# Altium PCB PCB_EPS_2.PcbDoc (part 3 of 3) (continued)
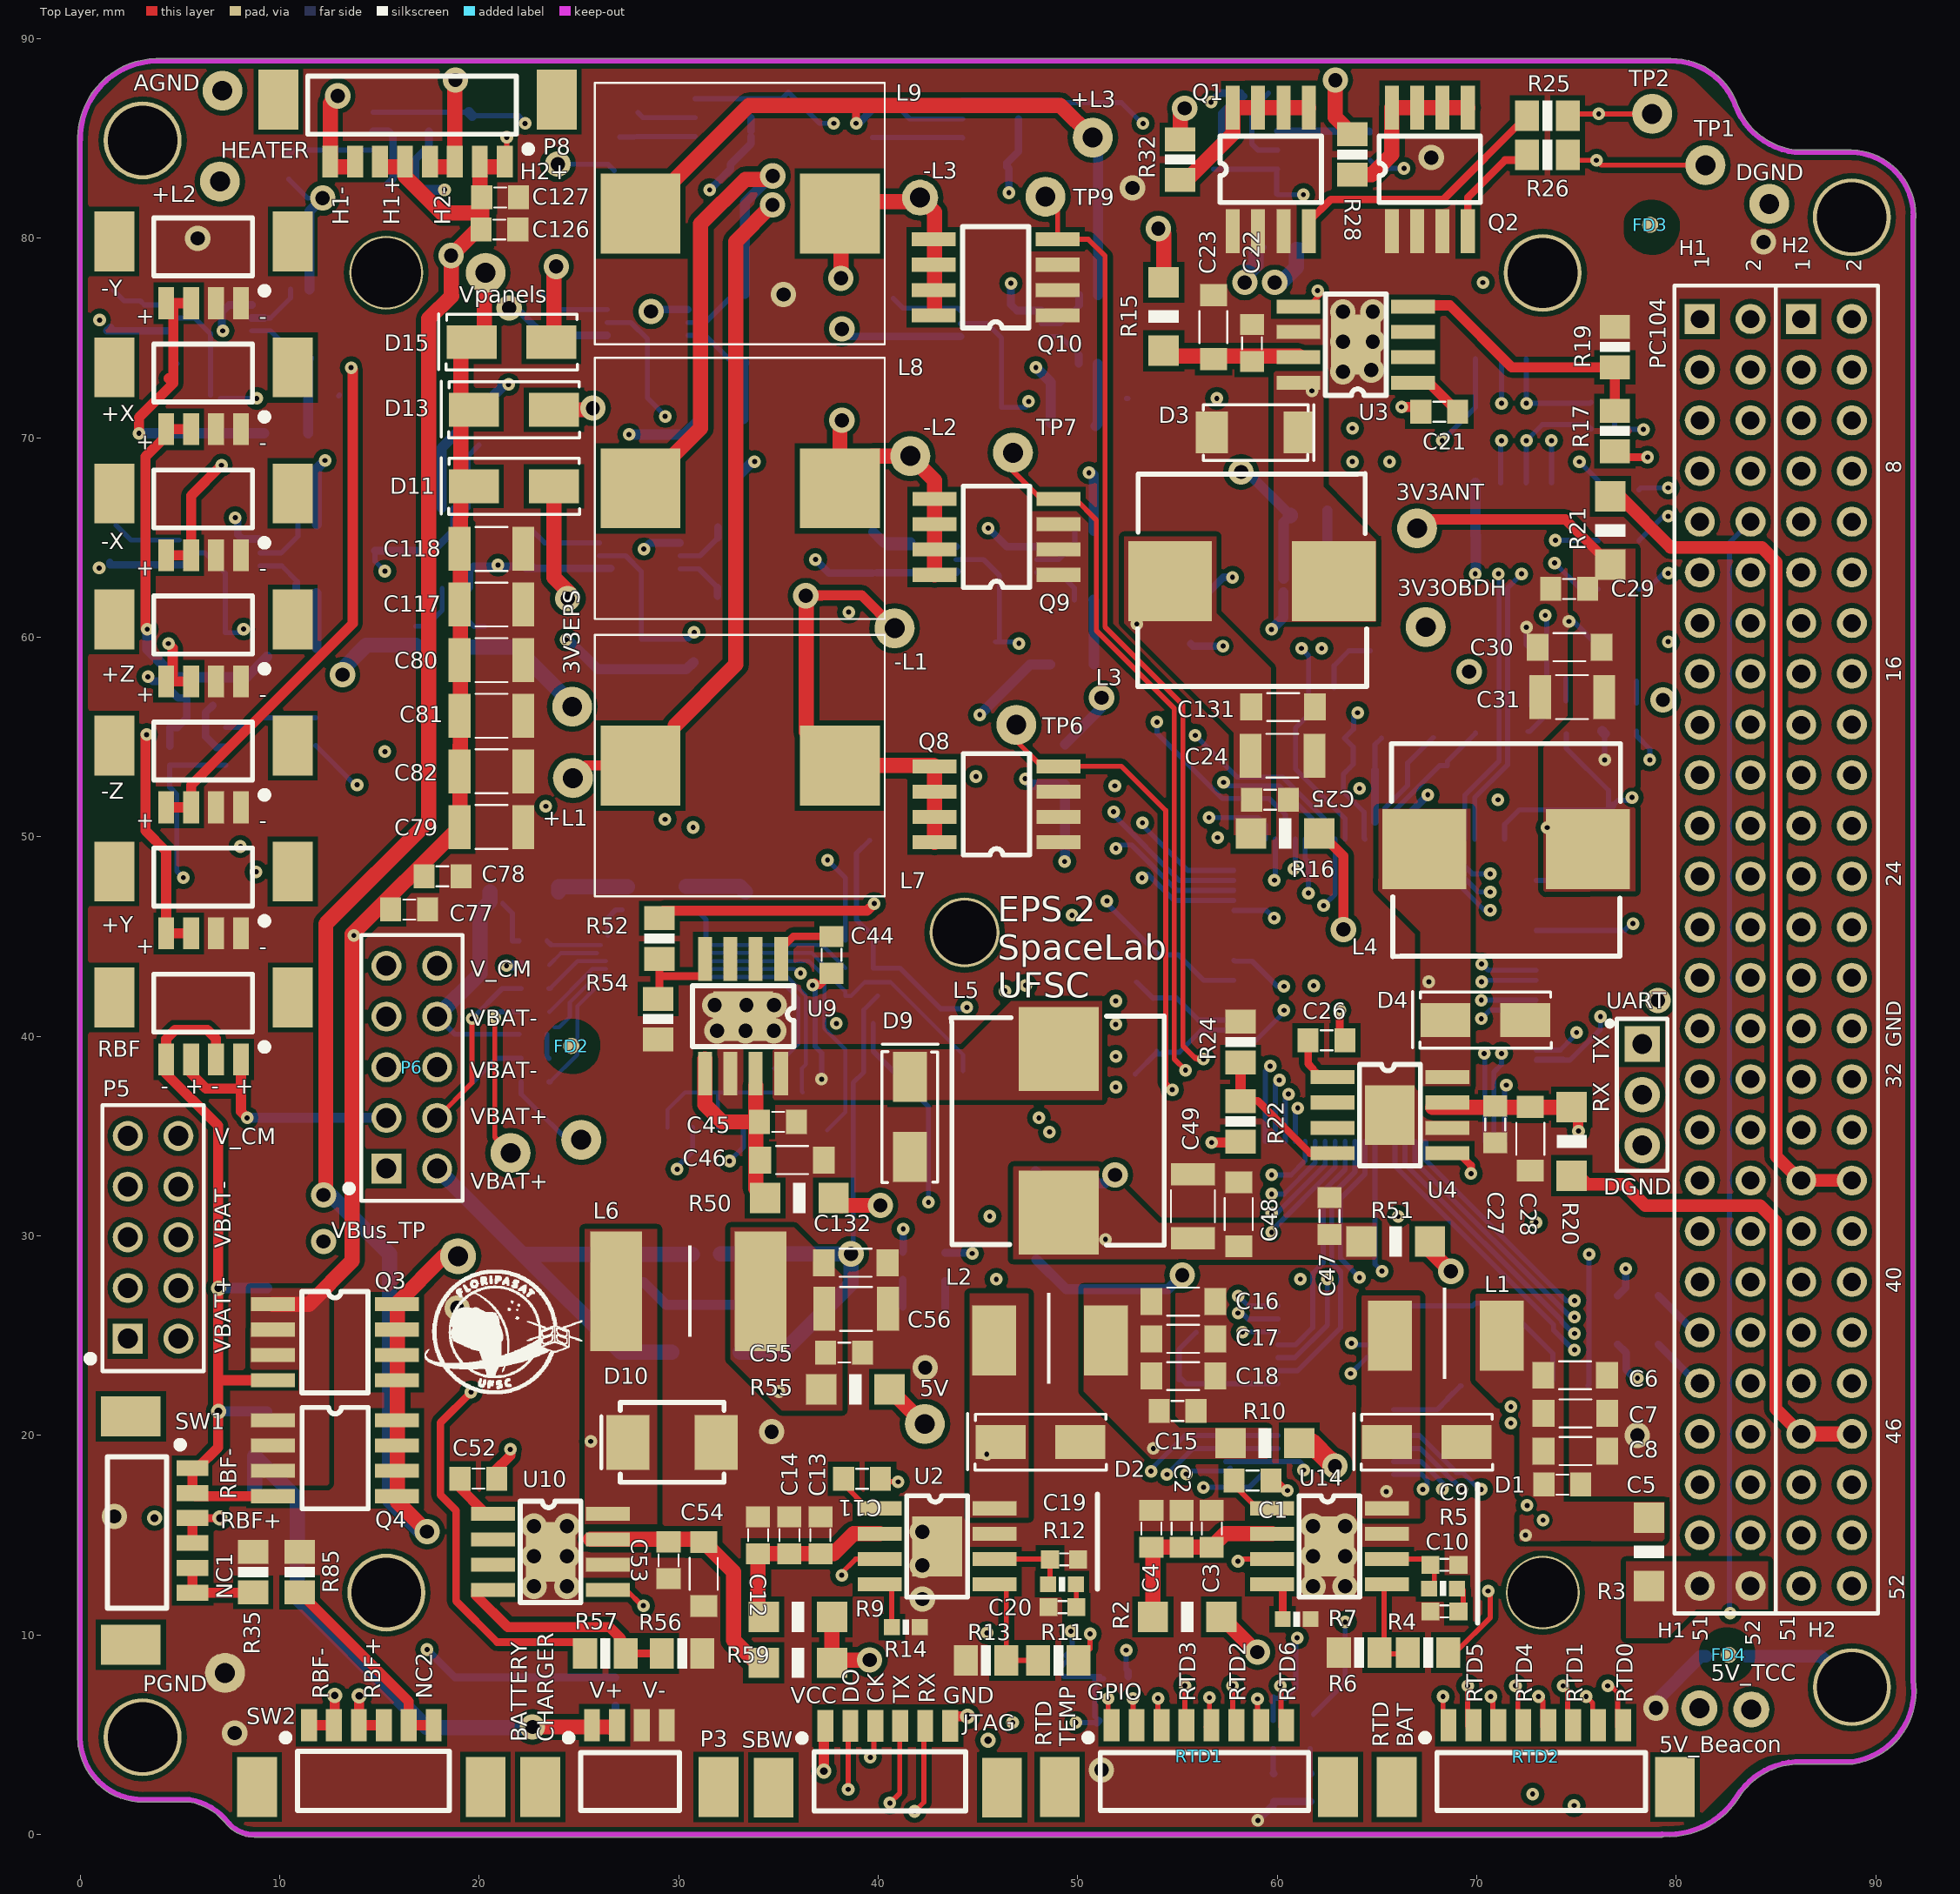
[diagram p0: Top Layer view]
## Nets (pads, with @x,y where several pads share a name; then routed paths per layer and width w, separated by ;. In a path a pad name is that pad's centre, name@x,y a point inside that pad or via, vN(x,y) a via of type N, cw(c..) or ccw(c..) an arc to the next point about the centre after c; other vN are vias at no path point) (continued)
VSENSE2_N: +X_CSR.4 U16.7 | length 2.8
  Bottom Layer w0.254: U16.7@9.007,64.229 10.066,64.229 10.908,65.071 +X_CSR.4@10.908,65.661
VSENSE2_P: +X_CSR.3 U16.8 | length 3.1
  Bottom Layer w0.254: U16.8@9.007,63.579 10.103,63.579 10.883,62.799 +X_CSR.3@10.883,62.211 ; +X_CSR.3@10.756,62.338 +X_CSR.3@10.756,62.666
VSENSE3_N: -X_CSR.4 U18.7 | length 2.6
  Bottom Layer w0.254: U18.7@30.455,75.779 31.332,75.779 -X_CSR.4@32.526,76.973
VSENSE3_P: -X_CSR.3 U18.8 | length 2.5
  Bottom Layer w0.254: U18.8@30.455,75.129 31.332,75.129 -X_CSR.3@32.501,73.96
VSENSE4_N: +Z_CSR.4 U20.7 | length 2.8
  Bottom Layer w0.254: U20.7@30.065,64.089 31.069,64.089 +Z_CSR.4@31.966,64.986
  Bottom Layer w0.381: +Z_CSR.4@31.966,64.986 +Z_CSR.4@31.966,65.521
VSENSE4_P: +Z_CSR.3 U20.8 | length 2.7
  Bottom Layer w0.254: U20.8@30.065,63.439 31.003,63.439 +Z_CSR.3@31.941,62.501
  Bottom Layer w0.381: +Z_CSR.3@31.941,62.071 +Z_CSR.3@31.941,62.501
VSENSE5_N: -Z_CSR.4 U22.7 | length 2.8
  Bottom Layer w0.254: U22.7@48.166,75.726 49.136,75.726 -Z_CSR.4@50.067,76.657
  Bottom Layer w0.381: -Z_CSR.4@50.067,76.657 -Z_CSR.4@50.067,77.158
VSENSE5_P: -Z_CSR.3 U22.8 | length 2.7
  Bottom Layer w0.254: U22.8@48.166,75.076 49.126,75.076 -Z_CSR.3@50.042,74.16
  Bottom Layer w0.381: -Z_CSR.3@50.042,73.708 -Z_CSR.3@50.042,74.16
VSENSE6_N: +Y_CSR.4 U25.7 | length 2.9
  Bottom Layer w0.254: U25.7@47.946,63.896 49.036,63.896 49.847,64.707 +Y_CSR.4@49.847,65.328
VSENSE6_P: +Y_CSR.3 U25.8 | length 2.8
  Bottom Layer w0.254: U25.8@47.946,63.246 49.056,63.246 49.822,62.48 +Y_CSR.3@49.822,61.878
XIN: C67.1 U12.13 Y2.1 | length 6.1
  Bottom Layer w0.254: U12.13@65.396,49.891 65.396,51.45 66.526,52.58 Y2.1@66.526,53.576 66.526,53.696 C67.1@67.811,54.981
XOUT: C69.1 U12.14 Y2.2 | length 7.2
  Bottom Layer w0.254: U12.14@65.896,49.891 65.896,51.339 68.133,53.576 Y2.2@68.526,53.576 68.526,53.786 69.926,55.186 C69.1@69.926,55.206
XT2IN: C68.1 U12.84 Y1.1 | length 5.9
  Bottom Layer w0.254: C68.1@52.88,38.112 53.957,39.189 Y1.1@53.957,39.243 ; Y1.1@53.957,39.113 54.186,39.113 54.279,39.206 55.086,39.206 56.196,40.316 U12.84@57.821,40.316
XT2OUT: C70.1 U12.85 Y1.3 | length 5.7
  Bottom Layer w0.254: C70.1@52.948,42.726 Y1.3@53.78,41.894 53.812,41.926 54.936,41.926 56.046,40.816 U12.85@57.821,40.816
pads on no net: +X.0 +Y.0 +Z.0 -X.0 -Y.0 -Z.0 FD2.1 FD3.1 FD4.1 FD6.1 FD7.1 FD8.1 P3.0 P8.0 PC104.H1-1 PC104.H1-2 PC104.H1-3 PC104.H1-4 PC104.H1-5 PC104.H1-6 PC104.H1-7 PC104.H1-8 PC104.H1-9 PC104.H1-11 PC104.H1-13 PC104.H1-14 PC104.H1-15 PC104.H1-16 PC104.H1-17 PC104.H1-18 PC104.H1-19 PC104.H1-20 PC104.H1-21 PC104.H1-22 PC104.H1-23 PC104.H1-24 PC104.H1-25 PC104.H1-26 PC104.H1-27 PC104.H1-28 PC104.H1-33 PC104.H1-34 PC104.H1-35 PC104.H1-36 PC104.H1-37 PC104.H1-38 PC104.H1-39 PC104.H1-40 PC104.H1-42 PC104.H1-44 PC104.H2-1 PC104.H2-2 PC104.H2-3 PC104.H2-4 PC104.H2-6 PC104.H2-8 PC104.H2-9 PC104.H2-10 PC104.H2-11 PC104.H2-12 PC104.H2-13 PC104.H2-14 PC104.H2-15 PC104.H2-16 PC104.H2-17 PC104.H2-19 PC104.H2-21 PC104.H2-23 PC104.H2-24 PC104.H2-33 PC104.H2-34 PC104.H2-37 PC104.H2-38 PC104.H2-39 PC104.H2-40 PC104.H2-41 PC104.H2-42 PC104.H2-43 PC104.H2-44 PC104.H2-47 PC104.H2-48 PC104.H2-50 PC104.H2-52 RBF.0 RTD1.0 RTD2.0 SBW.0 SW1.0 SW2.0 U3.2 U3.3 U4.2 U4.3 U5.7 U5.8 U5.19 U5.20 U9.2 U9.3 U10.2 U10.3 U12.16 U12.17 U12.23 U12.24 U12.28 U12.29 U12.30 U12.31 U12.33 U12.34 U12.35 U12.38 U12.41 U12.42 U12.43 U12.46 U12.47 U12.48 U12.49 U12.50 U12.54 U12.55 U12.56 U12.57 U12.58 U12.76 U12.77 U12.78 U12.79 U12.80 U12.81 U12.82 U12.86 U12.87 U12.88 U12.92 U12.93 U12.94 U12.95 U13.1 U13.7 U13.8 U15.4 U15.5 U16.4 U16.5 U18.4 U18.5 U20.4 U20.5 U22.4 U22.5 U25.4 U25.5 U27.4 U27.5

## Polygon pours and split planes (outlines as drawn)
DGND on Signal Layer 2 "DGND" (solid, pour order 95): 49.456,49.066 49.456,34.846 49.616,35.006 61.606,35.006 61.606,24.676 61.686,24.596 72.256,24.596 72.256,14.336 72.326,14.266 72.246,14.346 46.116,14.346 46.116,6.84 32.93,6.84 32.93,0.206 78.606,0.206 79.304,0.206 ccw(c79.304,2.746) 81.1,0.95 82.026,1.876 83.432,3.282 cw(c85.228,1.486) 85.228,4.026 87.266,4.026 88.684,4.026 ccw(c88.684,6.566) 90.48,4.77 91.396,5.686 ccw(c90.817,6.266) 91.636,6.266 91.636,7.916 91.636,81.294 ccw(c89.096,81.294) 90.892,83.09 89.966,84.016 cw(c89.773,84.209) 89.773,83.936 86.786,83.936 86.018,83.936 cw(c86.018,86.476) 84.222,84.68 82.656,86.246 81.18,87.722 ccw(c79.384,85.927) 79.384,88.466 77.256,88.466 66.743,88.466 ccw(c66.742,88.33) 66.646,88.426 cw(c66.357,88.137) 66.766,88.136 66.766,49.006
PGND on Signal Layer 2 "PGND" (solid, pour order 93): 32.56,0.316 32.56,7.026 45.756,7.026 45.766,7.036 45.766,50.796 0.416,50.796 0.396,50.776 0.426,5.266 0.426,4.579 ccw(c2.509,4.579) 1.036,3.106 1.262,2.88 ccw(c3.058,4.676) 3.058,2.136 4.476,2.136 5.494,2.136 cw(c5.494,-0.185) 7.136,1.456 7.915,0.677 ccw(c8.786,1.547) 8.786,0.316
DGND on Bottom Layer "DGND" (solid, pour order 90): 32.916,0.306 76.766,0.306 79.254,0.306 ccw(c79.254,2.846) 81.05,1.05 83.462,3.462 cw(c85.258,1.667) 85.258,4.206 88.756,4.206 88.834,4.206 ccw(c88.834,6.746) 90.63,4.95 91.316,5.636 ccw(c90.713,6.24) 91.566,6.24 91.566,8.836 ccw(c91.204,9.198) 91.716,9.198 91.716,81.066 91.716,81.094 ccw(c89.177,81.094) 90.972,82.89 90.326,83.536 ccw(c89.385,82.596) 89.384,83.926 86.386,83.926 85.808,83.926 cw(c85.808,86.466) 84.012,84.67 80.842,87.84 cw(c80.842,87.961) 80.757,87.875 ccw(c79.334,86.458) 79.334,88.466 76.316,88.466 66.666,88.466 66.666,48.306 49.356,48.306 49.356,48.366 49.356,36.586 49.466,36.586 61.776,36.586 61.776,36.806 61.776,24.596 61.506,24.596 72.256,24.596 72.256,14.056 46.146,14.056 46.146,6.686 32.897,6.686
PGND on Bottom Layer "PGND" (solid, pour order 92): 45.376,50.277 45.376,7.086 32.43,7.086 32.43,0.296 9.348,0.296 cw(c9.348,2.836) 7.552,1.04 7.286,1.306 ccw(c5.572,-0.408) 5.572,2.016 4.516,2.016 2.968,2.016 cw(c2.968,4.556) 1.172,2.76 0.926,3.006 0.91,3.022 cw(c2.706,4.818) 0.166,4.818 0.166,5.776 0.166,50.257
V_CHARGING_BATTERIES on Bottom Layer "OC" (solid, pour order 70): 11.27,27.53 13.075,29.335 13.075,30.665 12.47,31.27 7.5,31.27 7.5,27.76 7.5,16.79 11.27,16.79
AGND on Bottom Layer "AGND" (solid, pour order 91): 66.516,88.466 66.496,88.486 5.776,88.486 3.838,88.486 ccw(c3.838,85.946) 2.042,87.742 1.776,87.476 1.03,86.73 ccw(c2.826,84.934) 0.286,84.934 0.286,84.076 0.286,51.066 46.186,51.066 46.066,51.066 46.066,14.466 71.976,14.466 71.976,24.436 61.166,24.436 61.286,24.436 61.286,34.856 48.996,34.856 48.996,48.516 66.876,48.516
AGND on Bottom Layer "Bottom Layer-AGND" (solid, pour order 89): 64.736,51.3 63.95,52.086 63.95,52.603 64.254,52.907 64.254,55.233 65.848,55.233 65.848,52.212 64.936,51.3
DGND on Bottom Layer "DGND" (solid, pour order 94): 49.394,34.826 60.406,34.826 61.126,35.546 61.106,35.566 61.106,36.936 49.389,36.936 49.356,36.969
-VBAT on Bottom Layer "-VBAT" (solid, pour order 87): 18.796,41.936 18.796,37.586 14.366,37.586 14.356,37.576 14.346,37.586 14.346,41.936
+RBF on Bottom Layer "+RBF" (solid, pour order 88): 14.336,36.986 14.336,32.416 14.346,32.406 18.776,32.406 18.776,36.966 18.796,36.986
PGND on Top Layer "PGND" (solid, pour order 107): 77.77,0.25 79.428,0.25 ccw(c79.428,2.79) 81.224,0.994 83.486,3.256 cw(c85.282,1.46) 85.282,4 85.53,4 88.638,4 ccw(c88.638,6.54) 90.434,4.744 91.3,5.61 ccw(c90.479,6.431) 91.64,6.431 91.64,9.33 ccw(c91.592,9.378) 91.66,9.378 91.66,81.29 ccw(c89.342,81.29) 90.981,82.929 90.67,83.24 ccw(c88.908,81.478) 88.908,83.97 88.62,83.97 85.912,83.97 cw(c85.912,86.51) 84.116,84.714 84.04,84.79 81.064,87.766 ccw(c79.268,85.97) 79.268,88.51 79.02,88.51 3.712,88.51 ccw(c3.712,85.97) 1.916,87.766 1.87,87.72 1.004,86.854 ccw(c2.8,85.058) 0.26,85.058 0.26,83.99 0.26,4.762 ccw(c2.8,4.762) 1.004,2.966 1.56,2.41 ccw(c2.526,3.376) 2.526,2.01 4.8,2.01 5.498,2.01 cw(c5.498,-0.53) 7.294,1.266 7.37,1.19 7.688,0.872 ccw(c9.19,2.375) 9.19,0.25
VPANELS on Top Layer "VPanel" (solid, pour order 69): 8.526,22.24 7.51,22.24 7.51,19.366 6.63,18.486 6.63,17.5 2534.198,17.45 12.48,17.45 12.48,27.376 8.54,27.376
NetC5_1 on Top Layer "L1" (solid, pour order 73): 79.426,14.696 79.396,14.726 79.396,16.666 74.336,16.666 74.336,27.096 69.976,27.096 69.936,27.056 69.936,22.786 72.146,20.576 72.146,14.766 72.186,14.726
NetC5_1 on Top Layer "L1" (solid, pour order 72): 69.936,27.056 69.936,22.786 72.086,20.636 72.146,20.576 72.146,15.496 72.146,14.776 72.046,14.676 72.086,14.716 74.176,14.716 74.316,14.856 74.316,27.056
NetC1_2 on Top Layer "L1" (solid, pour order 71): 64.216,15.846 67.146,15.846 67.146,26.976 67.106,27.016 64.256,27.016 64.236,27.036 64.236,26.996 64.226,26.986
NetC21_2 on Top Layer "netc21_2" (solid, pour order 81): 62.306,73.336 62.306,69.066 62.306,67.566 64.946,64.866 64.946,64.726 64.946,60.816 64.916,60.786 59.826,60.786 59.826,73.346
Net3V3OBDH_1 on Top Layer "net5_1" (solid, pour order 82): 59.636,58.506 59.677,58.465 59.677,50.086 57.838,50.086 57.826,50.099 57.826,55.216 52.326,60.716 52.326,65.046 56.996,65.046 56.936,65.046 57.006,65.056 56.936,65.046 56.936,64.986 56.936,61.206
NetC47_2 on Top Layer "net9_1" (solid, pour order 80): 64.966,28.804 64.966,30.646 54.076,30.646 51.246,33.476 46.786,33.476 46.756,33.446 46.756,28.836
Net3V3ANT_1 on Top Layer "net7_1" (solid, pour order 84): 73.346,47.246 73.346,54.146 73.346,54.486 74.816,55.956 74.816,64.43 77.946,64.43 77.946,47.306 77.976,47.276
5V_Radio_Beacon on Top Layer "3V3_Beacon" (solid, pour order 74): 77.486,9.856 79.556,9.856 80.996,11.296 84.586,11.296 84.586,13.706 84.576,13.696 77.486,13.696
NetC55_1 on Top Layer "netc55_2" (solid, pour order 78): 38.206,28.006 35.786,30.426 32.606,30.426 32.586,30.406 32.586,23.816 32.596,23.816 35.166,21.246 35.176,21.256 38.196,21.256
NetC52_2 on Top Layer "netc52_2" (solid, pour order 77): 25.296,15.556 28.906,15.556 28.906,30.336 28.896,30.346 25.296,30.346
NetC26_2 on Top Layer "netc26_2" (solid, pour order 83): 67.166,37.516 67.166,45.226 65.056,47.336 65.056,47.886 65.076,47.906 65.076,51.416 65.096,51.396 69.706,51.396 69.686,51.376 69.686,37.516
NetC44_2 on Top Layer "netc44_2" (solid, pour order 79): 34.706,36.826 51.206,36.826 51.206,41.776 51.226,41.796 51.206,41.776 46.666,41.776 46.656,41.776 44.226,39.346 34.786,39.346 34.716,39.276
NetC15_1 on Top Layer "netc15_2" (solid, pour order 76): 54.626,27.406 54.606,27.386 50.296,27.386 50.296,22.296 50.296,22.206 52.566,19.936 53.666,18.836 59.486,18.836 59.486,20.406 59.466,20.386 55.296,20.386 55.086,20.386 54.616,20.856
NetC11_2 on Top Layer "3V3_Beacon" (solid, pour order 75): 44.586,15.886 44.586,27.116 47.486,27.116 47.536,27.166 47.536,15.886
PGND on Signal Layer 1 "PGND" (solid, pour order 105): 77.576,0.296 79.434,0.296 ccw(c79.434,2.836) 81.23,1.04 81.276,1.086 83.492,3.302 cw(c85.288,1.506) 85.288,4.046 87.446,4.046 88.814,4.046 ccw(c88.814,6.586) 90.61,4.79 91.636,5.816 ccw(c91.395,6.058) 91.736,6.058 91.736,10.796 91.736,81.074 ccw(c89.196,81.074) 90.992,82.87 90.256,83.606 ccw(c89.29,82.64) 89.29,84.006 88.336,84.006 85.878,84.006 cw(c85.878,86.546) 84.082,84.75 83.306,85.526 81.031,87.801 ccw(c79.256,86.025) 79.256,88.536 3.798,88.536 ccw(c3.798,85.996) 2.002,87.792 1.466,87.256 1.03,86.82 ccw(c2.826,85.024) 0.286,85.024 0.286,82.566 0.286,4.848 ccw(c2.826,4.848) 1.03,3.052 1.466,2.616 ccw(c2.915,4.065) 2.915,2.016 4.276,2.016 5.504,2.016 cw(c5.504,-0.524) 7.3,1.272 7.736,0.836 ccw(c9.16,2.261) 9.16,0.246 11.726,0.246
-VBAT on Signal Layer 1 "+RBF" (solid, pour order 103): 14.336,42.066 14.336,37.35 18.776,37.35 18.776,42.046 18.796,42.066
+RBF on Signal Layer 1 "+RBF" (solid, pour order 101): 14.336,36.81 14.336,32.416 14.346,32.406 18.776,32.406 18.776,36.81
+RBF on Signal Layer 1 "+RBF" (solid, pour order 86): 1.37,28.54 1.37,23.89 1.38,23.88 5.81,23.88 5.81,28.54
-VBAT on Signal Layer 1 "-VBAT" (solid, pour order 85): 1.37,33.54 1.37,28.84 5.81,28.84 5.81,33.52 5.83,33.54

## Keep-outs
Keep-Out Layer:
  lines w0.254: 0,4.39 0,85.004 ; 0,4.854 ccw(c3.125,4.879) 3.15,1.754 5.475,1.754 cw(c4.981,-1.285) 7.432,0.579 ccw(c8.705,1.688) 8.725,0 ; 0.004,84.927 cw(c3.879,85.004) 3.802,88.878 ; 3.825,88.879 79.725,88.879 cw(c79.778,85.507) 82.95,86.654 ccw(c86.406,87.974) 85.937,84.304 88.775,84.304 cw(c88.702,81.132) 91.875,81.059 ; 8.33,0 79.275,0 ; 79.277,0.029 ccw(c79.59,4.086) 83.025,1.904 cw(c86.222,-0.119) 85.95,3.654 88.85,3.654 ccw(c88.316,7.191) 91.853,7.724 91.853,81.132

## Other copper
Top Layer:
  pour cut-out: 78.776,81.936 cw(c78.776,80.56) 79.749,81.533 79.866,81.416 cw(c79.166,80.716) 80.156,80.716 80.156,80.546 cw(c78.78,80.546) 79.753,79.573 79.706,79.526 cw(c78.861,80.371) 78.861,79.176 78.776,79.176 cw(c78.776,80.648) 77.735,79.607 77.636,79.706 cw(c78.288,80.358) 77.366,80.358 77.366,80.726 cw(c78.283,80.726) 77.635,81.375 77.849,81.589 cw(c78.686,80.753) 78.686,81.936
  pour cut-out: 82.56,10.38 cw(c82.56,9.004) 83.533,9.977 83.65,9.86 cw(c82.95,9.159) 83.94,9.159 83.94,8.99 cw(c82.564,8.99) 83.537,8.017 83.49,7.97 cw(c82.645,8.815) 82.645,7.62 82.56,7.62 cw(c82.56,9.092) 81.519,8.051 81.42,8.15 cw(c82.072,8.801) 81.15,8.801 81.15,9.17 cw(c82.067,9.17) 81.419,9.818 81.634,10.033 cw(c82.47,9.197) 82.47,10.38
  pour cut-out: 24.667,40.875 cw(c24.667,39.499) 25.64,40.472 25.757,40.355 cw(c25.057,39.655) 26.047,39.655 26.047,39.485 cw(c24.671,39.485) 25.644,38.512 25.597,38.465 cw(c24.752,39.31) 24.752,38.115 24.667,38.115 cw(c24.667,39.587) 23.626,38.546 23.527,38.645 cw(c24.179,39.297) 23.257,39.297 23.257,39.665 cw(c24.175,39.665) 23.526,40.314 23.741,40.528 cw(c24.577,39.692) 24.577,40.875
Bottom Layer:
  pour cut-out: 67.416,4.126 cw(c67.416,2.75) 68.389,3.723 68.506,3.606 cw(c67.806,2.906) 68.796,2.906 68.796,2.736 cw(c67.42,2.736) 68.393,1.763 68.346,1.716 cw(c67.501,2.561) 67.501,1.366 67.416,1.366 cw(c67.416,2.839) 66.375,1.797 66.276,1.896 cw(c66.928,2.548) 66.006,2.548 66.006,2.916 cw(c66.923,2.916) 66.275,3.565 66.489,3.78 cw(c67.326,2.943) 67.326,4.126
  pour cut-out: 2.656,13.016 cw(c2.656,11.64) 3.629,12.613 3.746,12.496 cw(c3.046,11.796) 4.036,11.796 4.036,11.626 cw(c2.66,11.626) 3.633,10.653 3.586,10.606 cw(c2.741,11.451) 2.741,10.256 2.656,10.256 cw(c2.656,11.729) 1.615,10.687 1.516,10.786 cw(c2.168,11.438) 1.246,11.438 1.246,11.806 cw(c2.163,11.806) 1.515,12.455 1.729,12.67 cw(c2.566,11.833) 2.566,13.016
  pour cut-out: 72.327,84.485 cw(c72.327,83.109) 73.3,84.082 73.417,83.965 cw(c72.716,83.265) 73.707,83.265 73.707,83.095 cw(c72.331,83.095) 73.304,82.122 73.257,82.075 cw(c72.412,82.92) 72.412,81.725 72.327,81.725 cw(c72.327,83.198) 71.285,82.157 71.187,82.255 cw(c71.838,82.907) 70.917,82.907 70.917,83.275 cw(c71.834,83.275) 71.185,83.924 71.4,84.139 cw(c72.237,83.303) 72.237,84.485
  pour cut-out: 58.506,43.016 58.506,43.536 58.526,43.556 58.836,43.556 59.146,43.246 58.796,42.896 58.746,42.896
  pour cut-out: 64.196,50.726 64.196,48.576 64.156,48.536 63.316,48.536 63.316,50.706 63.296,50.726
  pour cut-out: 61.556,61.986 61.556,65.306 63.696,65.306 63.696,60.976 61.696,60.976
  pour cut-out: 59.276,84.806 60.826,84.806 60.826,84.116 60.766,84.056 59.276,84.056
  pour cut-out: 44.856,63.981 44.856,64.906 44.736,64.906 42.986,64.906 42.986,65.666 40.866,65.666 40.866,63.981
  pour cut-out: 45.044,75.976 45.044,76.676 44.746,76.676 42.996,76.676 42.996,77.436 41.796,77.436 41.796,75.976
  pour cut-out: 45.016,85.606 45.016,86.306 44.896,86.306 43.146,86.306 43.146,87.066 41.946,87.066 41.946,85.606
  pour cut-out: 31.616,85.676 31.616,86.386 31.606,86.376 29.806,86.376 29.806,87.136 28.656,87.136 28.656,85.676
  pour cut-out: 27.333,76.09 27.333,76.746 25.356,76.746 25.356,77.356 24.096,77.356 24.096,76.096
  pour cut-out: 5.542,76.216 5.549,77.006 3.726,77.006 3.716,76.996 3.716,77.556 2.366,77.556 2.358,76.216
  pour cut-out: 5.961,64.54 5.961,65.152 5.827,65.286 4.176,65.286 3.656,65.806 3.64,65.79 2.546,65.79 2.546,64.54
  pour cut-out: 6.646,54.111 8.12,54.111 8.126,54.116 8.126,54.846 6.656,54.846 6.626,54.816
  pour cut-out: 19.194,65.563 19.688,65.563 19.856,65.731 19.856,67.286 19.836,67.306 19.856,67.326 20.296,67.326 20.296,68.736 18.947,68.736 18.947,65.574
  pour cut-out: 15.756,84.866 15.738,84.848 13.863,84.848 13.863,85.699 15.756,85.699
  pour cut-out: 26.943,64.212 26.943,65.005 26.781,65.166 25.176,65.166 25.176,65.466 25.036,65.606 23.576,65.606 23.556,65.586 23.556,64.248

## Silkscreen, mask and mechanical layers (free items; w line width, h text height)
Top Overlay:
  drawing of 1549 lines, arcs and shapes, not listed
  text "AGND" at 2.67,87.39 h0.81
  text "HEATER" at 7.04,84.01 h0.81
  text "H2+" at 22.03,82.94 h0.81
  text "DGND" at 82.976,82.896 h0.81
  text "H1-" at 13.45,80.66 h0.81 r90
  text "H1+" at 16,80.66 h0.81 r90
  text "H2-" at 18.55,80.66 h0.81 r90
  text "H2" at 85.28,79.28 h0.75
  text "H1" at 80.13,79.15 h0.75
  text "+" at 2.8,75.72 h0.81
  text "-" at 8.97,75.69 h0.81
  text "+" at 2.8,69.403 h0.81
  text "-" at 8.97,69.373 h0.81
  text "8" at 91.266,68.216 h0.75 r90
  text "+" at 2.8,63.087 h0.81
  text "-" at 8.97,63.057 h0.81
  text "16" at 91.266,57.756 h0.75 r90
  text "+" at 2.8,56.77 h0.81
  text "-" at 8.97,56.74 h0.81
  text "+" at 2.8,50.453 h0.81
  text "-" at 8.97,50.423 h0.81
  text "24" at 91.266,47.506 h0.75 r90
  text "+" at 2.8,44.137 h0.81
  text "-" at 8.97,44.107 h0.81
  text "V_CM" at 19.56,42.99 h0.81
  text "EPS 2  / SpaceLab / UFSC" at 45.98,41.94 h1.27
  text "VBAT-" at 19.56,40.53 h0.81
  text "GND" at 91.266,39.466 h0.75 r90
  text "TX" at 76.64,38.68 h0.81 r90
  text "VBAT-" at 19.56,37.9 h0.81
  text "32" at 91.266,37.386 h0.75 r90
  text "-" at 4.03,37.117 h0.81
  text "+" at 5.26,37.117 h0.81
  text "-" at 6.57,37.117 h0.81
  text "+" at 7.75,37.117 h0.81
  text "RX" at 76.64,36.18 h0.81 r90
  text "VBAT+" at 19.56,35.59 h0.81
  text "V_CM" at 6.73,34.59 h0.81
  text "VBAT+" at 19.56,32.34 h0.81
  text "DGND" at 76.36,32.07 h0.81
  text "VBAT-" at 7.543,29.38 h0.81 r90
  text "40" at 91.266,27.146 h0.75 r90
  text "VBAT+" at 7.543,24.1 h0.81 r90
  text "46" at 91.266,19.556 h0.75 r90
  text "RBF-" at 7.823,16.8 h0.81 r90
  text "RBF+" at 7.01,15.34 h0.81
  text "NC1" at 7.63,11.78 h0.81 r90
  text "PGND" at 3.13,7.17 h0.81
  text "V+" at 25.53,6.83 h0.81
  text "V-" at 28.19,6.83 h0.81
  text "RBF-" at 12.44,6.795 h0.81 r90
  text "RBF+" at 15.05,6.795 h0.81 r90
  text "NC2" at 17.63,6.795 h0.81 r90
  text "GPIO" at 50.46,6.75 h0.81
  text "RTD3" at 55.894,6.67 h0.81 r90
  text "RTD2" at 58.402,6.67 h0.81 r90
  text "RTD6" at 60.91,6.67 h0.81 r90
  text "RTD5" at 70.29,6.6 h0.81 r90
  text "RTD4" at 72.784,6.6 h0.81 r90
  text "RTD1" at 75.292,6.6 h0.81 r90
  text "RTD0" at 77.8,6.6 h0.81 r90
  text "VCC" at 35.6,6.57 h0.81
  text "DO" at 39.02,6.57 h0.81 r90
  text "CK" at 40.27,6.57 h0.81 r90
  text "TX" at 41.55,6.57 h0.81 r90
  text "RX" at 42.83,6.57 h0.81 r90
  text "GND" at 43.25,6.57 h0.81
  text "JTAG" at 44.24,5.21 h0.81
  text "BATTERY" at 22.399,4.647 h0.81 r90
  text "CHARGER" at 23.709,4.647 h0.81 r90
  text "RTD" at 48.69,4.43 h0.81 r90
  text "TEMP" at 49.89,4.43 h0.81 r90
  text "RTD" at 65.57,4.37 h0.81 r90
  text "BAT" at 66.8,4.37 h0.81 r90
Bottom Overlay:
  drawing of 2585 lines, arcs and shapes, not listed
  text "AGND" at 6.056,87.416 h0.81
  text "TP2" at 77.26,85.92 h0.81
  text "TP1" at 80.01,83.17 h0.81
  text "DGND" at 83.07,81.18 h0.81
  text "TP9" at 50.386,80.326 h0.81
  text "UART_BEACON" at 91.27,76.56 h0.81 r90
  text "EN_RADIOS" at 91.25,66.41 h0.81 r90
  text "ADD_GPIO" at 91.23,55.965 h0.81 r90
  text "5V_PAYLOAD" at 91.25,48.92 h0.81 r90
  text "V_CM" at 13.65,43.15 h0.81
  text "3V3_EPS" at 79.81,42.45 h0.81
  text "VBAT-" at 13.65,40.69 h0.81
  text "GND" at 91.23,40.065 h0.81 r90
  text "TX" at 76.57,39.28 h0.81
  text "VBAT-" at 13.65,38.06 h0.81
  text "V_CM" at 5.06,37 h0.81
  text "RX" at 76.57,36.68 h0.81
  text "VBAT+" at 13.65,35.68 h0.81
  text "ANT_VCC" at 91.255,35.44 h0.81 r90
  text "DGND" at 76.57,34.07 h0.81
  text "VBAT-" at 7.51,33.11 h0.81 r90
  text "VBAT+" at 13.65,33.03 h0.81
  text "UART" at 79.47,32.02 h0.81
  text "DEBUG" at 79.45,30.8 h0.81
  text "VBus_TP" at 18.08,29.86 h0.81
  text "ADD_I2C" at 79.5,28.89 h0.81
  text "VBAT+" at 7.51,27.81 h0.81 r90
  text "BAT_VCC" at 91.23,22.616 h0.81 r90
  text "5V_OBDH" at 79.55,19.63 h0.81
  text "5V_PAYLOAD" at 79.63,17.12 h0.81
  text "EPS_I2C" at 91.27,15.67 h0.81 r90
  text "5V_MAIN_RADIO" at 79.62,14.56 h0.81
  text "5V_BEACON_RADIO" at 87.25,10.17 h0.81
  text "PGND" at 10.58,9.31 h0.81
  text "5V_Beacon" at 79.66,5.91 h0.81
  text "5V_TTC" at 83.39,3.91 h0.81
  text "EPS 2  / SpaceLab / UFSC" at 37.27,2.27 h1.27
Mechanical 1:
  lines w0.254: -38.874,-64.054 3.876,-64.054 ; -38.854,-64.094 -38.854,110.796 ; -18.964,10.885 -18.456,9.361 ; -18.964,4.916 -18.456,6.44 ; -18.71,9.361 -18.202,9.361 ; -18.71,6.44 -18.202,6.44 ; -18.457,11.901 -18.456,9.361 ; -18.456,3.9 -18.456,6.44 ; -17.948,10.885 -18.456,9.361 ; -17.948,4.916 -18.456,6.44 ; -14.734,7.852 -14.226,6.328 ; -14.734,43.804 -14.226,45.328 ; -14.48,6.328 -13.972,6.328 ; -14.48,45.328 -13.972,45.328 ; -14.226,23.089 -14.226,6.328 ; -14.226,28.566 -14.226,45.328 ; -13.718,7.852 -14.226,6.328 ; -13.718,43.804 -14.226,45.328 ; -9.34,7.826 -8.832,6.302 ; -9.34,82.778 -8.832,84.302 ; -9.086,6.302 -8.578,6.302 ; -9.086,84.302 -8.578,84.302 ; -8.832,40.198 -8.832,6.302 ; -8.832,50.406 -8.832,84.302 ; -8.324,7.826 -8.832,6.302 ; -8.324,82.778 -8.832,84.302 ; 3.276,-64.054 147.498,-64.054 147.498,-37.276 ; 3.988,-64.054 3.988,-37.327 147.498,-37.327 ; 3.988,-59.552 137.338,-59.552 ; 3.988,-54.79 147.498,-54.79 ; 3.988,-50.027 147.391,-50.027 ; 5.406,93.016 7.946,93.016 ; 6.422,92.508 7.946,93.016 ; 6.422,93.524 7.946,93.016 ; 7.946,92.762 7.946,93.27 ; 7.955,-6.428 7.955,-5.92 ; 7.956,94.802 7.956,95.31 ; 9.479,-6.682 7.955,-6.174 ; 9.479,-5.666 7.955,-6.174 ; 9.48,94.547 7.956,95.056 ; 9.48,95.563 7.956,95.056 ; 10.946,92.762 10.946,93.27 ; 12.47,92.508 10.946,93.016 ; 12.47,93.524 10.946,93.016 ; 13.486,93.016 10.946,93.016 ; 17.42,95.049 7.956,95.056 ; 33.468,95.038 42.932,95.031 ; 34.907,-6.174 7.955,-6.174 ; 41.407,94.524 42.932,95.031 ; 41.408,95.54 42.932,95.031 ; 42.932,94.777 42.932,95.285 ; 50.661,-59.552 50.661,-50.027 ; 50.955,-6.174 77.907,-6.174 ; 72.381,97.578 74.921,97.578 ; 73.397,97.07 74.921,97.578 ; 73.397,98.086 74.921,97.578 ; 74.921,97.324 74.921,97.832 ; 76.383,-6.682 77.907,-6.174 ; 76.383,-5.666 77.907,-6.174 ; 77.907,-6.428 77.907,-5.92 ; 77.921,97.324 77.921,97.832 ; 79.445,97.07 77.921,97.578 ; 79.445,98.086 77.921,97.578 ; 80.461,97.578 77.921,97.578 ; 96.698,-64.315 96.698,-37.327 ; 96.698,-59.552 147.498,-59.552 ; 123.668,-64.165 123.668,-54.64 ; 125.941,-50.2 125.941,-37.304 ; 147.498,-63.964 147.498,110.836
  text "34.976 (mm)" at 17.673,94.135 h1.52 r359.96
  text "3 (mm)" at 72.333,93.921 h1.52
  text "3 (mm)" at 5.358,89.36 h1.52
  text "78 (mm)" at -7.918,40.452 h1.52 r90
  text "39 (mm)" at -13.586,23.343 h1.52 r90
  text "2.921 (mm)" at -22.113,14.782 h1.52 r270
  text "69.952 (mm)" at 35.161,-7.088 h1.52
  text "General SPEC:" at 100.851,-15.696 h3.1
  text "Cupper base 1OZ:" at 100.426,-19.636 h1.73
  text "PCB Material: Prepeg FR4" at 100.246,-22.244 h1.73
  text "PCB Tickness: 1.6mm" at 100.395,-24.993 h1.73
  text "PCB Surface: ENIG" at 100.32,-27.743 h1.73
  text "Vias: Force Complete Tenting" at 100.476,-30.764 h1.73
  text "VER." at 129.281,-41.284 h2.41
  text "TITULO: EPS 2018" at 5.986,-41.804 h2.54
  text "REV." at 100.341,-41.928 h2.41
  text "Flight" at 132.078,-47.457 h1.92
  text "02" at 101.302,-47.754 h1.92
  text "UFSC" at 6.266,-48.654 h1.92
  text "MATERIAL:" at 4.941,-53.202 h1.92
  text "FR4" at 21.768,-53.202 h1.92
  text "Silkscreen color: white" at 52.248,-53.202 h1.92
  text "1.6mm" at 34.438,-57.515 h1.92
  text "Drawing" at 98.254,-57.67 h1.92
  text "Board Tickness:" at 4.941,-57.965 h1.92
  text "Layers: 04" at 52.248,-57.965 h1.92
  text "DATE" at 131.369,-58.066 h1.92
  text "14/04/2019" at 126.676,-62.524 h1.92
  text "Sara Vega Martinez" at 97.915,-62.868 h1.73
  text "PCB Surface: ENIG" at 5.152,-63.162 h1.73
Mechanical 5:
  lines w0.254: 93.566,5.849 94.074,7.373 ; 93.566,13.983 94.074,12.459 ; 93.82,7.373 94.328,7.373 ; 93.82,12.459 94.328,12.459 ; 94.074,4.833 94.074,7.373 ; 94.074,14.999 94.074,12.459 ; 94.582,5.849 94.074,7.373 ; 94.582,13.983 94.074,12.459 ; 95.547,74.448 96.055,75.972 ; 95.547,82.582 96.055,81.058 ; 95.801,75.972 96.309,75.972 ; 95.801,81.058 96.309,81.058 ; 96.055,73.432 96.055,75.972 ; 96.055,83.598 96.055,81.058 ; 96.563,74.448 96.055,75.972 ; 96.563,82.582 96.055,81.058
  text "5.086 (mm)" at 99.712,71.507 h1.52 r90
  text "5.086 (mm)" at 97.731,2.907 h1.52 r90
Mechanical 7:
  lines w0.254: 29.416,0.016 29.726,0.016 29.726,6.666 45.876,6.666 ; 41.426,48.496 41.746,48.496 ; 46.166,48.156 46.166,15.236 47.546,15.236 72.506,15.236 ; 47.656,15.816 46.176,15.816 46.176,1.456 47.756,-0.124 ; 49.416,48.416 49.416,36.646 54.036,36.646 61.476,36.646 61.476,24.626 64.136,24.626 69.456,24.626 72.116,24.626 72.116,15.976 ; 53.576,15.946 53.656,15.946 ; 56.696,48.346 66.686,48.346 66.686,87.836 1.016,87.836 1.016,51.126 57.706,51.126 60.396,48.436 ; 57.086,39.816 58.696,39.816
Mechanical 11:
  lines w0.254: 12.456,9.266 76.172,9.266 76.172,81.166 12.456,81.166 12.456,9.266
Mechanical 14:
  lines w0.254: 89.627,77.495 91.056,76.066 91.056,42.996 91.056,32.176 75.476,32.176 75.476,24.626 61.886,24.626 61.886,36.686 49.456,36.686 49.456,48.406 66.436,48.406 66.436,77.206 90.046,77.206
ASM Top:
  lines w0.1: 79.901,11.074 79.901,77.424 90.086,77.424 90.086,11.074 79.901,11.074
  text ".Designator" at 82.801,60.524 h0.89 r90

## Text inside footprints (layer, text, board x,y; h text height)
PC104: Top Overlay "H1" at 79.06,9.87 h0.75; Top Overlay "H2" at 86.59,9.89 h0.75; Top Overlay "52" at 84.19,9.46 h0.75 r90; Top Overlay "51" at 81.56,9.67 h0.75 r90; Top Overlay "51" at 85.95,9.67 h0.75 r90; Top Overlay "52" at 91.416,11.746 h0.75 r90; Top Overlay "1" at 81.651,78.481 h0.75 r90; Top Overlay "2" at 84.251,78.331 h0.75 r90; Top Overlay "2" at 89.276,78.331 h0.75 r90; Top Overlay "1" at 86.701,78.356 h0.75 r90